# KiCad board interposer.kicad_pcb (continued)
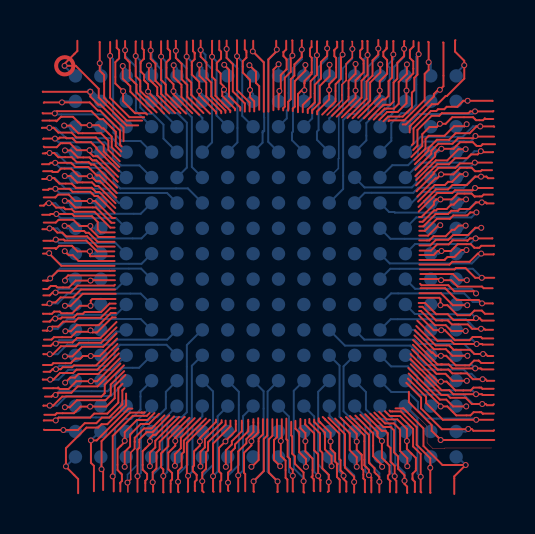
[diagram p0: board, top side]
## Routing (per net, layer and track width the routed paths; a pad name or vN(x,y) marks a point on that pad's centre or on a via; arc(x,y) is an arc through that point) (continued)
VL_B14: length 5.8
  Top w0.1: -7.02,-5.43 -7.56,-5.97 -7.56,-6.59 -7.98,-7.01 v1(-8.79,-7.01) -9.27,-7.01 -9.6,-7.34 -10.46,-7.34 -10.54,-7.42 -11.08,-7.42
  Bottom w0.1: U61.B14 -8.76,-6.98 v1(-8.79,-7.01)
VL_C14: length 9
  Top w0.1: -7.17,-5.87 -7.38,-6.08 -7.38,-6.81 -7.93,-7.36 -8.59,-7.36 -8.79,-7.56 -10.37,-7.56 v1(-10.51,-7.7) -11.1,-7.7 -11.11,-7.71
  Bottom w0.1: -6.98,-6.98 -7.55,-7.55 -10.36,-7.55 v1(-10.51,-7.7)
VL_D12: length 10.3
  Top w0.1: -7.28,-4.86 -8.42,-6 -9.41,-6 -9.73,-6.32 -10.41,-6.32 v1(-10.52,-6.43) -10.64,-6.43 -10.72,-6.51 -11.05,-6.51
  Bottom w0.1: v1(-10.52,-6.43) -10.33,-6.24 -7.92,-6.24 -7.5,-5.82 -7.5,-5.43 -7.14,-5.07 -6.34,-5.07 U61.D12
VL_F3: length 7.9
  Top w0.1: -3.96,11.25 v1(-3.96,10.49) -3.96,9.42 -3.73,9.19 -3.73,8.58 -2.79,7.64
  Bottom w0.1: U61.F3 -3.17,7.42 -3.71,7.96 -3.71,10.24 v1(-3.96,10.49)
VL_F5: length 11.1
  Top w0.1: -3.12,7.67 -3.93,8.48 -3.93,9.08 -4.21,9.36 -4.21,10.13 -4.5,10.42 v1(-4.5,10.78) -4.5,11.27 -4.51,11.28
  Bottom w0.1: v1(-4.5,10.78) -4.5,10.44 -3.96,9.9 -3.96,7.72 -3.7,7.46 -3.7,4.97 U61.F5
VL_F15: length 4.7
  Top w0.1: v1(-3.3,-8.75) -3.29,-8.74 ; v1(-3.3,-8.75) -3.3,-8.58 -2.49,-7.77 -2.49,-7.66 ; v1(-3.3,-8.75) -3.3,-8.96 -3.59,-9.25 -3.59,-9.96 -3.65,-10.02 -3.65,-10.23 -3.46,-10.42 -3.46,-10.68 -3.55,-10.77 -3.55,-11.21 -3.53,-11.23
  Bottom w0.1: v1(-3.3,-8.75) -3.17,-8.62 -3.17,-8.26
VL_F16: length 3.3
  Top w0.1: -2.21,-7.69 -2.21,-7.8 -3.05,-8.64 -3.05,-9.05 -3.27,-9.27 v1(-3.27,-10)
  Bottom w0.1: U61.F16 -3.17,-9.91 v1(-3.27,-10)
VL_K13: length 9.2
  Top w0.1: 1.27,-7.77 1.27,-8.45 1.32,-8.5 1.32,-9.36 1.46,-9.5 1.46,-9.87 1.89,-10.3 v1(1.89,-10.74) 1.89,-11.28 1.92,-11.31
  Bottom w0.1: U61.K13 1.4,-6.22 1.4,-10.09 1.89,-10.58 v1(1.89,-10.74)
VL_K16: length 3.1
  Top w0.1: v1(2.01,-10.02) 2.01,-9.63 1.67,-9.29 1.67,-8.3 1.48,-8.11 1.48,-7.72
  Bottom w0.1: U61.K16 1.91,-9.92 v1(2.01,-10.02)
VL_L11: length 12.9
  Top w0.1: 11.39,-5.15 10.81,-5.15 10.76,-5.1 v1(10.48,-5.1) 9.35,-5.1 9.15,-4.9 8.81,-4.9 ; 8.81,-4.9 8.75,-4.9 ; 8.81,-4.9 8.59,-4.9 7.37,-3.68
  Bottom w0.1: 3.18,-3.18 3.96,-3.96 7.23,-3.96 7.61,-4.34 7.61,-4.55 7.99,-4.93 10.31,-4.93 v1(10.48,-5.1)
VL_N10: length 9.5
  Top w0.1: 11.36,-1.86 11.35,-1.85 v1(10.82,-1.85) 10.65,-1.68 9.56,-1.68 8.97,-1.09 7.74,-1.09
  Bottom w0.1: U61.N10 6.27,-1.35 9.93,-1.35 10.36,-1.78 10.75,-1.78 v1(10.82,-1.85)
VL_R12: length 5.2
  Top w0.1: 11.39,-4.81 11.37,-4.83 10.78,-4.83 10.66,-4.71 10.42,-4.71 10.18,-4.95 9.51,-4.95 9.03,-4.47 v1(8.76,-4.47) 8.51,-4.47 8.35,-4.31 8.3,-4.31 7.44,-3.45
  Bottom w0.1: U61.R12 8.74,-4.45 v1(8.76,-4.47)
VL_RTCOSCI: length 4.8
  Top w0.1: 11.38,-3.6 10.83,-3.6 10.76,-3.53 10.35,-3.53 10.19,-3.69 9.46,-3.69 8.96,-3.19 v1(8.78,-3.19) 8.4,-3.19 7.67,-2.46
  Bottom w0.1: v1(8.78,-3.19) 8.77,-3.18 8.25,-3.18
VL_RTCOSCO: length 8.2
  Top w0.1: 11.37,-3.91 10.85,-3.91 10.82,-3.88 v1(10.55,-3.88) 9.43,-3.88 9.27,-3.72 8.59,-3.72 7.58,-2.71
  Bottom w0.1: v1(10.55,-3.88) 10.33,-3.66 8.52,-3.66 8.49,-3.63 8.46,-3.66 7.91,-3.66 7.43,-3.18 6.99,-3.18
VL_T8: length 3.1
  Top w0.1: 7.69,0.32 8.94,0.32 9.09,0.47 9.44,0.47 9.79,0.82 v1(10.04,0.82)
  Bottom w0.1: U61.T8 9.86,0.63 v1(10.04,0.82)
YMF_VSS_Res: length 9.4
  Top w0.1: 11.43,-5.72 11.07,-5.72 10.99,-5.64 v1(10.85,-5.64) 10.36,-5.64 10.07,-5.35 9.33,-5.35 9.14,-5.16 8.6,-5.16 7.36,-3.92
  Bottom w0.08: 6.98,-4.45 7.2,-4.45
  Bottom w0.1: v1(10.85,-5.64) 10.56,-5.64 10.29,-5.37 10.12,-5.37 9.91,-5.16 7.7,-5.16 U61.P12
ZEROWS#: length 4.5
  Top w0.1: -0.38,-7.59 -0.38,-8.3 -0.72,-8.64 v1(-0.72,-8.74) -0.72,-8.95 -1.09,-9.32 -1.09,-10.32 -1.03,-10.38 -1.03,-11.24
  Bottom w0.1: v1(-0.72,-8.74) -0.63,-8.66 -0.63,-8.26
